# KiCad board Panel3-copy.kicad_pcb (continued)
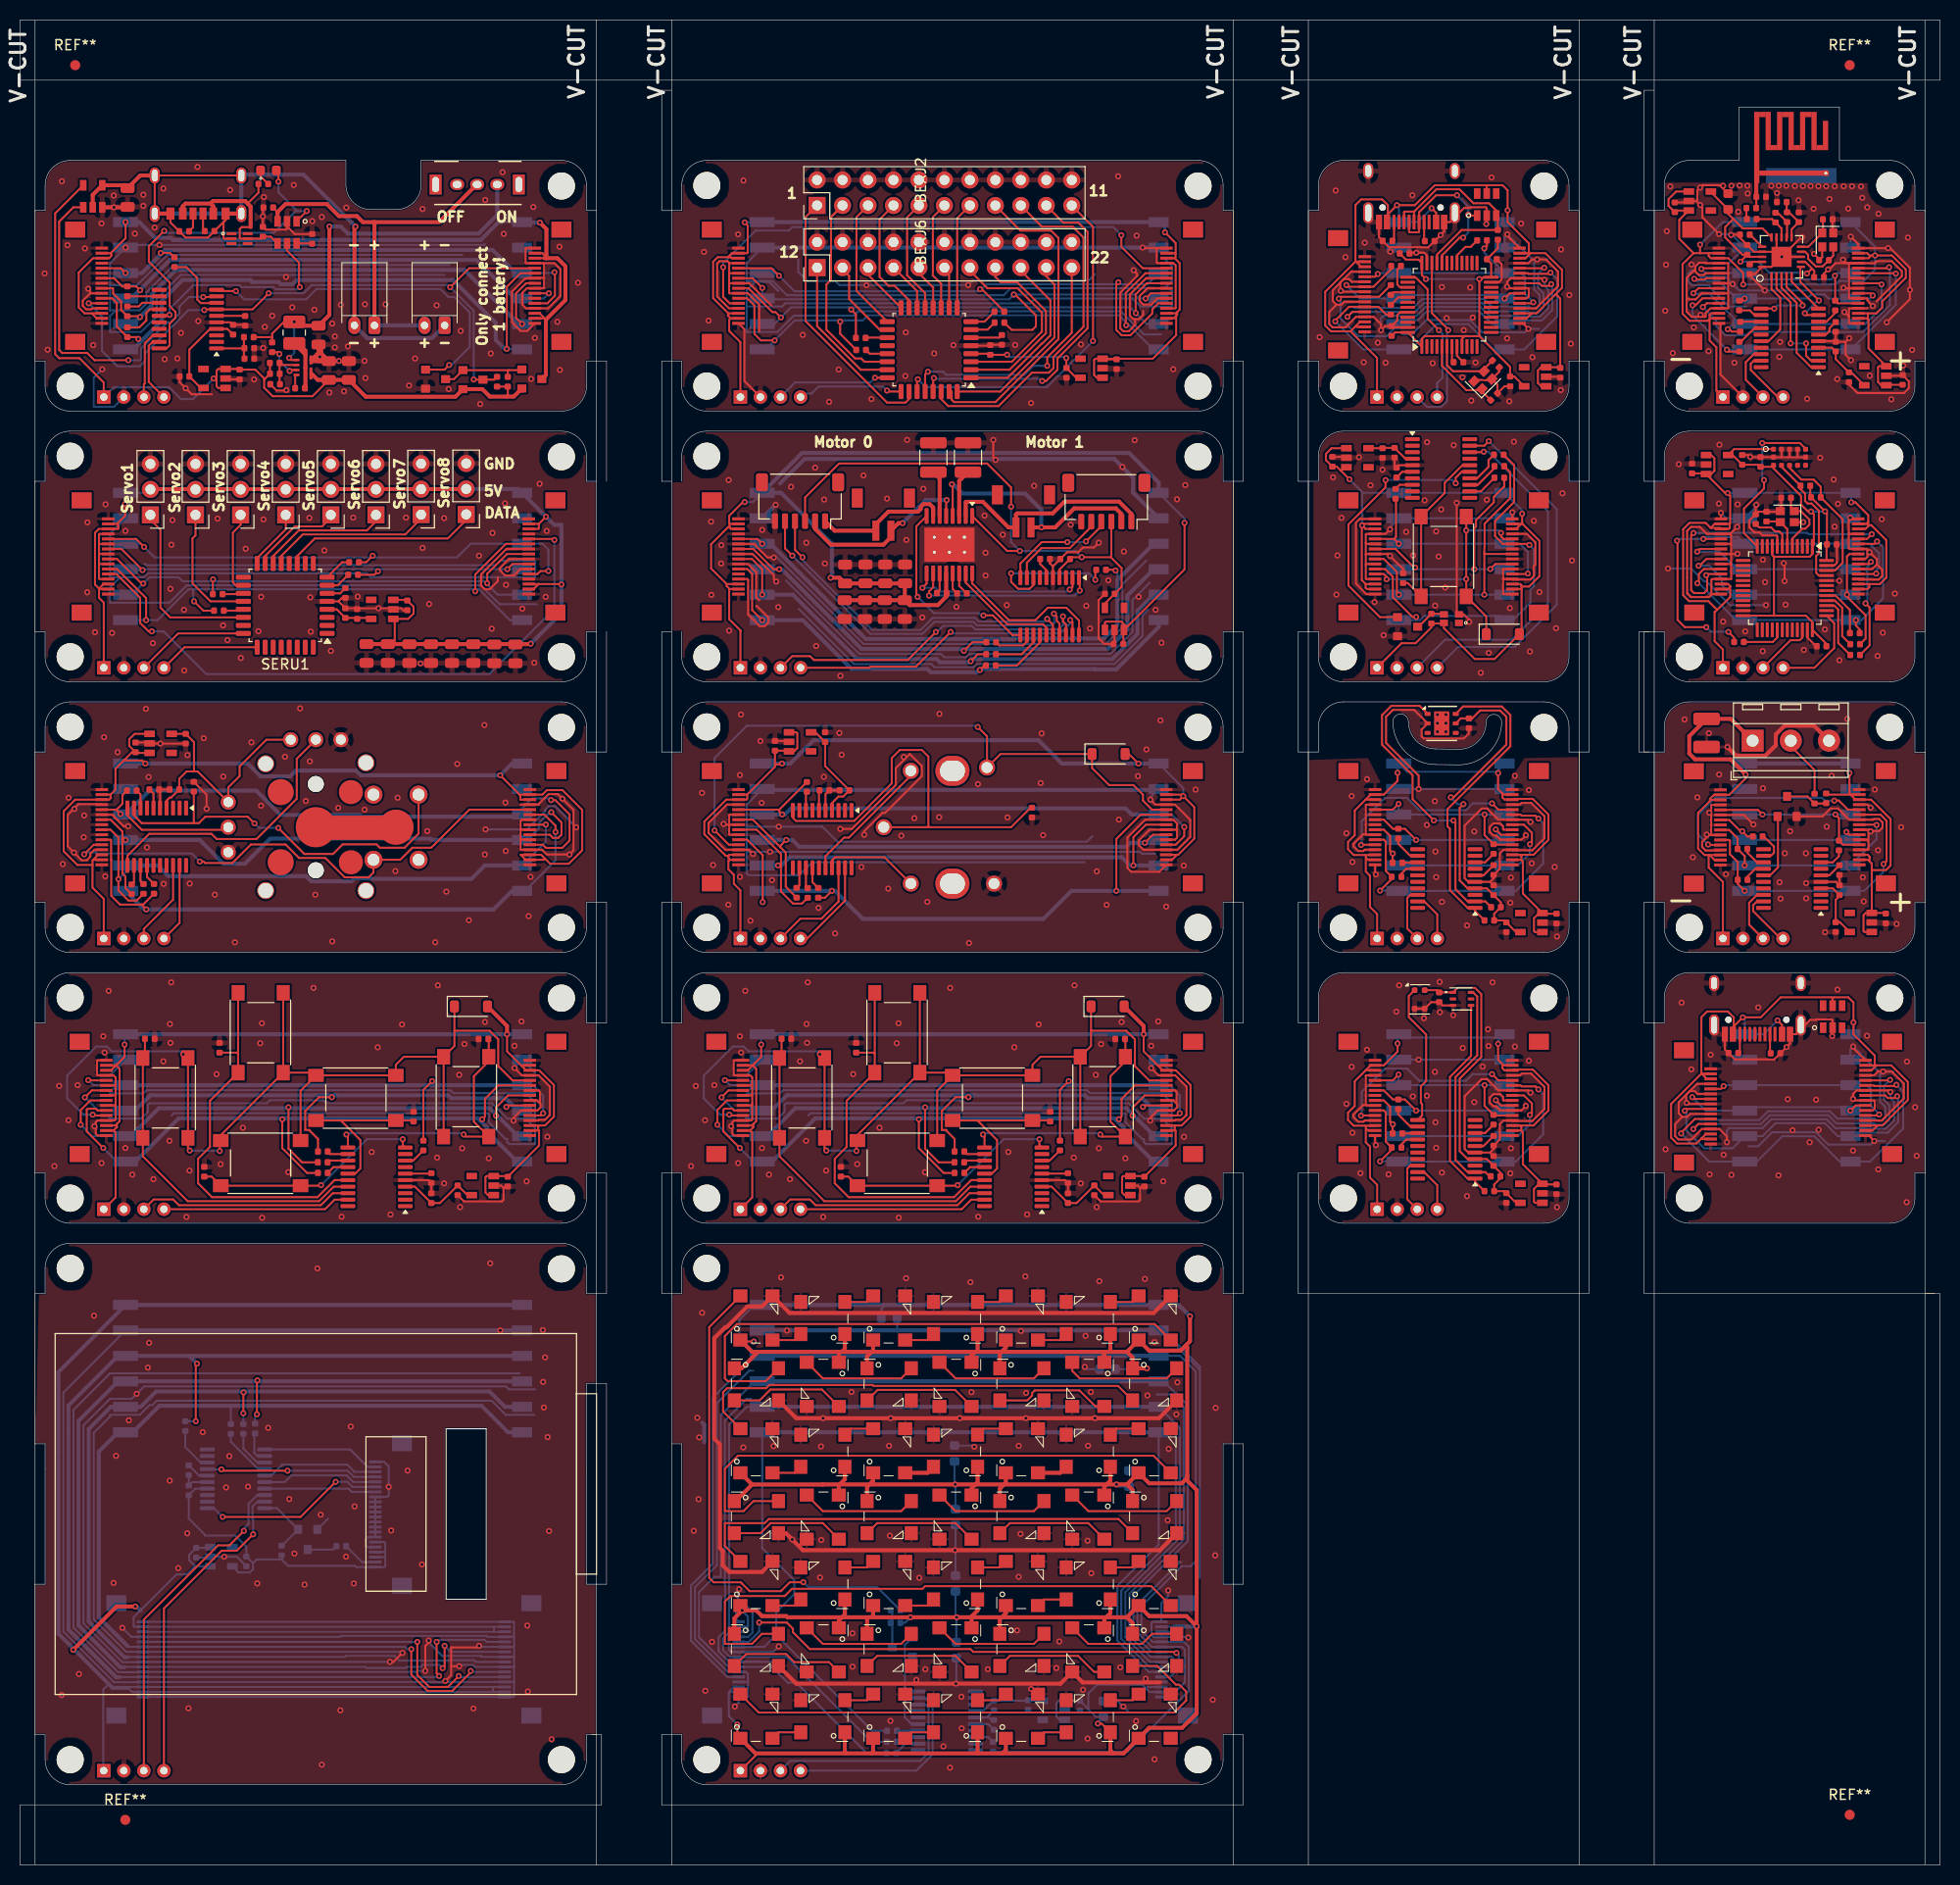
[diagram p0: board, top side]
## Nets (continued)
SCR_Net-(U3-PA6): SCRR4.1 SCRU3.13
SCR_Net-(U3-PA7): SCRR2.1 SCRU3.14
SCR_PS: SCRJ1.3 SCRJ2.4 SCRJ5.5 SCRJ6.5 SCRR1.2
SCR_RESET: SCRJ3.3 SCRU3.15
SCR_S_MISO: SCRU3.10
SCR_S_MOSI: SCRJ3.2 SCRU3.11
SCR_S_SCK: SCRJ3.6 SCRU3.1
SCR_SCLK: SCRJ1.4 SCRJ2.3 SCRJ5.7 SCRJ6.7 SCRR3.2
SCR_SWDCLK: SCRJ4.4 SCRU3.19
SCR_SWDIO: SCRJ4.3 SCRU3.18
SCR_TE: SCRJ3.4 SCRU3.7
SCR_unconnected-(U2-NC-Pad4): SCRU2.4
SCR_VDD: SCRC2.1 SCRC9.1 SCRJ3.17 SCRJ3.19 SCRJ3.20 SCRJ3.22 SCRR7.2 SCRU2.5 SCRU3.4
SER_5V: SERC5.1 SERC6.1 SERC7.1 SERC8.1 SERC10.1 SERC11.1 SERC12.1 SERC13.1 SERC14.1 SERJ1.1 SERJ2.2 SERJ3.6 SERJ4.1 SERJ5.2 SERJ6.2 SERJ7.2 SERJ8.2 SERJ9.2 SERJ10.2 SERJ11.2 SERJ12.2 SERJ12.3 SERJ12.14 SERJ12.15 SERJ13.2 SERJ13.3 SERJ13.14 SERJ13.15 SERU2.1 SERU2.3
SER_GND: SERC3.2 SERC4.2 SERC5.2 SERC6.2 SERC7.2 SERC8.2 SERC9.2 SERC10.2 SERC11.2 SERC12.2 SERC13.2 SERC14.2 SERJ1.2 SERJ2.3 SERJ3.5 SERJ4.2 SERJ5.3 SERJ6.3 SERJ7.3 SERJ8.3 SERJ9.3 SERJ10.3 SERJ11.3 SERJ12.1 SERJ12.4 SERJ12.6 SERJ12.8 SERJ12.10 SERJ12.13 SERJ12.16 SERJ13.1 SERJ13.4 SERJ13.6 SERJ13.8 SERJ13.10 SERJ13.13 SERJ13.16 SERU1.5 SERU2.2
SER_Interrupt5V: SERJ12.12 SERJ13.12
SER_MISO: SERJ1.5 SERJ3.2 SERJ12.9 SERJ13.9 SERR7.2
SER_MOSI: SERJ1.6 SERJ3.1 SERJ12.11 SERJ13.11 SERR8.2
SER_Net-(U1-NRST): SERC4.1 SERU1.6
SER_Net-(U1-PA0): SERR5.1 SERU1.7
SER_Net-(U1-PA1): SERR6.1 SERU1.8
SER_Net-(U1-PA9/NC): SERR7.1 SERU1.19
SER_Net-(U1-PA10/NC): SERR8.1 SERU1.21
SER_PS: SERJ1.3 SERJ3.4 SERJ12.5 SERJ13.5 SERR6.2
SER_PWM1: SERJ2.1 SERU1.22
SER_PWM2: SERJ5.1 SERU1.20
SER_PWM3: SERJ6.1 SERU1.18
SER_PWM4: SERJ7.1 SERU1.16
SER_PWM5: SERJ8.1 SERU1.15
SER_PWM6: SERJ9.1 SERU1.14
SER_PWM7: SERJ10.1 SERU1.13
SER_PWM8: SERJ11.1 SERU1.11
SER_PWM9: SERU1.27
SER_PWM10: SERU1.30
SER_SCLK: SERJ1.4 SERJ3.3 SERJ12.7 SERJ13.7 SERR5.2
SER_SWDCLK: SERJ4.4 SERU1.25
SER_SWDIO: SERJ4.3 SERU1.24
SER_unconnected-(U1-PA2-Pad9): SERU1.9
SER_unconnected-(U1-PA3-Pad10): SERU1.10
SER_unconnected-(U1-PA5-Pad12): SERU1.12
SER_unconnected-(U1-PA12/PA10-Pad23): SERU1.23
SER_unconnected-(U1-PA15-Pad26): SERU1.26
SER_unconnected-(U1-PB2-Pad17): SERU1.17
SER_unconnected-(U1-PB4-Pad28): SERU1.28
SER_unconnected-(U1-PB5-Pad29): SERU1.29
SER_unconnected-(U1-PB7-Pad31): SERU1.31
SER_unconnected-(U1-PB8-Pad32): SERU1.32
SER_unconnected-(U1-PB9-Pad1): SERU1.1
SER_unconnected-(U1-PC14-Pad2): SERU1.2
SER_unconnected-(U1-PC15-Pad3): SERU1.3
SER_unconnected-(U2-NC-Pad4): SERU2.4
SER_VDD: SERC3.1 SERC9.1 SERU1.4 SERU2.5
TMP_5V: TMPC8.1 TMPJ1.1 TMPJ2.6 TMPJ3.2 TMPJ3.3 TMPJ3.14 TMPJ3.15 TMPJ4.1 TMPJ5.2 TMPJ5.3 TMPJ5.14 TMPJ5.15 TMPU2.1 TMPU2.3
TMP_/DAP: TMPU1.7
TMP_GND: TMPC1.2 TMPC2.2 TMPC3.2 TMPC8.2 TMPC9.2 TMPJ1.2 TMPJ2.5 TMPJ3.1 TMPJ3.4 TMPJ3.6 TMPJ3.8 TMPJ3.10 TMPJ3.13 TMPJ3.16 TMPJ4.2 TMPJ5.1 TMPJ5.4 TMPJ5.6 TMPJ5.8 TMPJ5.10 TMPJ5.13 TMPJ5.16 TMPU1.2 TMPU2.2 TMPU3.5
TMP_Interrupt5V: TMPJ3.12 TMPJ5.12
TMP_MISO: TMPJ1.5 TMPJ2.2 TMPJ3.9 TMPJ5.9 TMPR4.2
TMP_MOSI: TMPJ1.6 TMPJ2.1 TMPJ3.11 TMPJ5.11 TMPR2.2
TMP_Net-(U3-NRST): TMPC1.1 TMPU3.6
TMP_Net-(U3-PA1): TMPR1.1 TMPU3.8
TMP_Net-(U3-PA5): TMPR3.1 TMPU3.12
TMP_Net-(U3-PA6): TMPR4.1 TMPU3.13
TMP_Net-(U3-PA7): TMPR2.1 TMPU3.14
TMP_PS: TMPJ1.3 TMPJ2.4 TMPJ3.5 TMPJ5.5 TMPR1.2
TMP_SCL: TMPR6.2 TMPU1.6 TMPU3.1
TMP_SCLK: TMPJ1.4 TMPJ2.3 TMPJ3.7 TMPJ5.7 TMPR3.2
TMP_SDA: TMPR5.2 TMPU1.1 TMPU3.2
TMP_SWDCLK: TMPJ4.4 TMPU3.19
TMP_SWDIO: TMPJ4.3 TMPU3.18
TMP_unconnected-(U1-NC-Pad3): TMPU1.3
TMP_unconnected-(U1-NC-Pad4): TMPU1.4
TMP_unconnected-(U2-NC-Pad4): TMPU2.4
TMP_unconnected-(U3-PA0-Pad7): TMPU3.7
TMP_unconnected-(U3-PA2-Pad9): TMPU3.9
TMP_unconnected-(U3-PA3-Pad10): TMPU3.10
TMP_unconnected-(U3-PA4-Pad11): TMPU3.11
TMP_unconnected-(U3-PA11/PA9-Pad16): TMPU3.16
TMP_unconnected-(U3-PA12/PA10-Pad17): TMPU3.17
TMP_unconnected-(U3-PB0/PB1/PB2/PA8-Pad15): TMPU3.15
TMP_unconnected-(U3-PB3/PB4/PB5/PB6-Pad20): TMPU3.20
TMP_unconnected-(U3-PC15-Pad3): TMPU3.3
TMP_VDD: TMPC2.1 TMPC3.1 TMPC9.1 TMPR5.1 TMPR6.1 TMPU1.5 TMPU2.5 TMPU3.4
USB_5V: USBC8.1 USBIC1.5 USBJ1.1 USBJ2.A4 USBJ2.A9 USBJ2.B4 USBJ2.B9 USBJ3.6 USBJ4.1 USBJ5.2 USBJ5.3 USBJ5.14 USBJ5.15 USBJ6.2 USBJ6.3 USBJ6.14 USBJ6.15 USBU2.1 USBU2.3
USB_GND: USBC1.2 USBC2.2 USBC4.1 USBC5.2 USBC6.1 USBC7.1 USBC8.2 USBC9.2 USBIC1.2 USBJ1.2 USBJ2.A1 USBJ2.A12 USBJ2.B1 USBJ2.B12 USBJ2.S1 USBJ3.5 USBJ4.2 USBJ5.1 USBJ5.4 USBJ5.6 USBJ5.8 USBJ5.10 USBJ5.13 USBJ5.16 USBJ6.1 USBJ6.4 USBJ6.6 USBJ6.8 USBJ6.10 USBJ6.13 USBJ6.16 USBR1.2 USBR2.1 USBU1.8 USBU1.23 USBU1.35 USBU1.44 USBU1.47 USBU2.2 USBY2.2 USBY2.4
USB_Interrupt5V: USBJ5.12 USBJ6.12
USB_MISO: USBJ1.5 USBJ3.2 USBJ5.9 USBJ6.9 USBR6.2
USB_MISO_UC: USBR6.1 USBU1.40
USB_MOSI: USBJ1.6 USBJ3.1 USBJ5.11 USBJ6.11 USBR4.2
USB_MOSI_UC: USBR4.1 USBU1.41
USB_Net-(J2-CC1): USBJ2.A5 USBR1.1
USB_Net-(J2-CC2): USBJ2.B5 USBR2.2
USB_Net-(U1-NRST): USBC4.2 USBU1.7
USB_OSC_IN: USBC6.2 USBU1.5 USBY2.1
USB_OSC_OUT: USBC7.2 USBU1.6 USBY2.3
USB_PS: USBJ1.3 USBJ3.4 USBJ5.5 USBJ6.5 USBR5.2
USB_PS_UC: USBR5.1 USBU1.29
USB_SCLK: USBJ1.4 USBJ3.3 USBJ5.7 USBJ6.7 USBR7.2
USB_SCLK_UC: USBR7.1 USBU1.39
USB_SWDCLK: USBJ4.4 USBU1.37
USB_SWDIO: USBJ4.3 USBU1.34
USB_unconnected-(IC1-I/04-Pad6): USBIC1.6
USB_unconnected-(IC1-I/O3-Pad4): USBIC1.4
USB_unconnected-(J2-SBU1-PadA8): USBJ2.A8
USB_unconnected-(J2-SBU2-PadB8): USBJ2.B8
USB_unconnected-(U1-PA0-Pad10): USBU1.10
USB_unconnected-(U1-PA1-Pad11): USBU1.11
USB_unconnected-(U1-PA2-Pad12): USBU1.12
USB_unconnected-(U1-PA3-Pad13): USBU1.13
USB_unconnected-(U1-PA4-Pad14): USBU1.14
USB_unconnected-(U1-PA5-Pad15): USBU1.15
USB_unconnected-(U1-PA6-Pad16): USBU1.16
USB_unconnected-(U1-PA7-Pad17): USBU1.17
USB_unconnected-(U1-PA9-Pad30): USBU1.30
USB_unconnected-(U1-PA10-Pad31): USBU1.31
USB_unconnected-(U1-PA15-Pad38): USBU1.38
USB_unconnected-(U1-PB0-Pad18): USBU1.18
USB_unconnected-(U1-PB1-Pad19): USBU1.19
USB_unconnected-(U1-PB2-Pad20): USBU1.20
USB_unconnected-(U1-PB6-Pad42): USBU1.42
USB_unconnected-(U1-PB7-Pad43): USBU1.43
USB_unconnected-(U1-PB8-Pad45): USBU1.45
USB_unconnected-(U1-PB9-Pad46): USBU1.46
USB_unconnected-(U1-PB10-Pad21): USBU1.21
USB_unconnected-(U1-PB11-Pad22): USBU1.22
USB_unconnected-(U1-PB12-Pad25): USBU1.25
USB_unconnected-(U1-PB13-Pad26): USBU1.26
USB_unconnected-(U1-PB14-Pad27): USBU1.27
USB_unconnected-(U1-PB15-Pad28): USBU1.28
USB_unconnected-(U1-PC13-Pad2): USBU1.2
USB_unconnected-(U1-PC14-Pad3): USBU1.3
USB_unconnected-(U1-PC15-Pad4): USBU1.4
USB_unconnected-(U2-NC-Pad4): USBU2.4
USB_USB_D+: USBIC1.3 USBJ2.A6 USBJ2.B6 USBR12.1 USBU1.33
USB_USB_D-: USBIC1.1 USBJ2.A7 USBJ2.B7 USBU1.32
USB_VDD: USBC1.1 USBC2.1 USBC5.1 USBC9.1 USBR12.2 USBU1.1 USBU1.9 USBU1.24 USBU1.36 USBU1.48 USBU2.5
WIR_5V: WIRC8.1 WIRC11.1 WIRJ1.1 WIRJ2.6 WIRJ3.2 WIRJ3.3 WIRJ3.14 WIRJ3.15 WIRJ4.1 WIRJ5.2 WIRJ5.3 WIRJ5.14 WIRJ5.15 WIRU1.1 WIRU1.3 WIRU2.1 WIRU2.3
WIR_GND: WIRAE1.2 WIRC1.2 WIRC2.2 WIRC3.2 WIRC4.2 WIRC5.2 WIRC6.2 WIRC7.2 WIRC8.2 WIRC9.2 WIRC11.2 WIRC12.2 WIRC13.2 WIRC14.2 WIRC15.2 WIRJ1.2 WIRJ2.5 WIRJ3.1 WIRJ3.4 WIRJ3.6 WIRJ3.8 WIRJ3.10 WIRJ3.13 WIRJ3.16 WIRJ4.2 WIRJ5.1 WIRJ5.4 WIRJ5.6 WIRJ5.8 WIRJ5.10 WIRJ5.13 WIRJ5.16 WIRR6.1 WIRU1.2 WIRU2.2 WIRU3.5 WIRU4.8 WIRU4.14 WIRU4.17 WIRU4.20 WIRU4.21 WIRY2.2 WIRY2.4
WIR_Interrupt5V: WIRJ3.12 WIRJ5.12
WIR_MISO: WIRJ1.5 WIRJ2.2 WIRJ3.9 WIRJ5.9 WIRR4.2
WIR_MOSI: WIRJ1.6 WIRJ2.1 WIRJ3.11 WIRJ5.11 WIRR2.2
WIR_Net-(AE1-A): WIRAE1.1 WIRC7.1 WIRC10.2
WIR_Net-(C10-Pad1): WIRC10.1 WIRL3.1
WIR_Net-(U3-NRST): WIRC1.1 WIRU3.6
WIR_Net-(U3-PA1): WIRR1.1 WIRU3.8
WIR_Net-(U3-PA5): WIRR3.1 WIRU3.12
WIR_Net-(U3-PA6): WIRR4.1 WIRU3.13
WIR_Net-(U3-PA7): WIRR2.1 WIRU3.14
WIR_Net-(U4-ANT1): WIRL1.1 WIRL4.2 WIRU4.12
WIR_Net-(U4-ANT2): WIRL1.2 WIRL3.2 WIRU4.13
WIR_Net-(U4-DVDD): WIRC3.1 WIRU4.19
WIR_Net-(U4-IREF): WIRR6.2 WIRU4.16
WIR_Net-(U4-VDD_PA): WIRC4.1 WIRC14.1 WIRL4.1 WIRU4.11
WIR_PS: WIRJ1.3 WIRJ2.4 WIRJ3.5 WIRJ5.5 WIRR1.2
WIR_SCLK: WIRJ1.4 WIRJ2.3 WIRJ3.7 WIRJ5.7 WIRR3.2
WIR_SWDCLK: WIRJ4.4 WIRU3.19
WIR_SWDIO: WIRJ4.3 WIRU3.18
WIR_unconnected-(U1-NC-Pad4): WIRU1.4
WIR_unconnected-(U2-NC-Pad4): WIRU2.4
WIR_unconnected-(U3-PA0-Pad7): WIRU3.7
WIR_unconnected-(U3-PA12/PA10-Pad17): WIRU3.17
WIR_unconnected-(U3-PB0/PB1/PB2/PA8-Pad15): WIRU3.15
WIR_unconnected-(U3-PB3/PB4/PB5/PB6-Pad20): WIRU3.20
WIR_unconnected-(U3-PC15-Pad3): WIRU3.3
WIR_VDD: WIRC2.1 WIRC12.1 WIRU2.5 WIRU3.4
WIR_VDD_NRF: WIRC9.1 WIRC13.1 WIRC15.1 WIRU1.5 WIRU4.7 WIRU4.15 WIRU4.18
WIR_W_CSN: WIRU3.2 WIRU4.2
WIR_W_Enable: WIRU3.16 WIRU4.1
WIR_W_INT: WIRU3.9 WIRU4.6
WIR_W_MISO: WIRU3.10 WIRU4.5
WIR_W_MOSI: WIRU3.11 WIRU4.4
WIR_W_SCK: WIRU3.1 WIRU4.3
WIR_XC13: WIRC5.1 WIRU4.10 WIRY2.1
WIR_XC23: WIRC6.1 WIRU4.9 WIRY2.3

Pads without a net: DIASW7 1 2; MOTJ2 MP; MOTJ6 MP; MOTJ8 0; MOTJ9 0; SCRJ3 A B

## Via types
v1: diameter 0.6, hole 0.3, Top to Bottom, 1157 vias

## Routing (per net, layer and track width the routed paths; a pad name or vN(x,y) marks a point on that pad's centre or on a via; arc(x,y) is an arc through that point)
BAT_5V: length 82.2
  Top w0.2: BATJ3.15 52.1,160.75 52.3,160.55 52.3,160.25 BATJ3.14 ; BATJ3.3 51.82,154.75 52.45,154.12 52.32,154.25 BATJ3.2 ; 7.15,154.75 6.43,154.75 5.85,155.33 5.85,158.82 7.28,160.25 BATJ1.3 8.88,160.25 9.1,160.47 9.1,160.68 9.03,160.75 ; 7.15,154.75 7.65,154.25 BATJ1.15 ; 7.15,154.75 BATJ1.14 ; v1(10.53,163.85) 10.53,162.25 9.03,160.75 ; BATJ1.2 9.03,160.75
  Top w0.4: 52.1,148.2 BATQ6.3 52.45,148.6 52.45,154.12 54.4,156.07 54.4,159.45 53.6,160.25 52.5,160.25 ; 52.5,160.25 52.5,163.15 v1(51.85,163.8) ; 52.5,160.25 52.3,160.25
  Bottom w0.2: 48.08,163.85 50.08,163.85
  Bottom w0.4: 50.08,163.85 50.12,163.8 v1(51.85,163.8) ; v1(10.53,163.85) 11.89,163.85 13.46,162.28 15.05,162.28 15.25,162.07 45.95,162.07 47.73,163.85 48.08,163.85
BAT_/USB_5V: length 19.7
  Top w0.2: 22.7,165.7 23.78,166.78 BATR16.1 ; 23,163.35 22.11,163.35 21.91,163.15 21.91,162.25 21.96,162.2 BATIC1.5 24.02,162.2 BATC13.1 25.01,162.4 BATU8.4
  Top w0.4: BATJ2.A9 16.23,165.43 16.5,165.7 19,165.7 ; 23,163.35 23,165.4 22.45,165.95 19.25,165.95 19,165.7 ; 19,165.7 19.27,165.43 BATJ2.B9
BAT_BATTERY_CURRENT: length 35.6
  Top w0.2: v1(10.8,150.07) 7.42,150.07 6.7,150.8 4.2,150.8 3.9,151.1 3.9,163.9 5.33,165.32 BATU6.1 ; v1(18.27,156.38) 19.52,156.38 BATU3.9
  Bottom w0.2: v1(10.8,150.07) 11.97,150.07 12.07,150.18 12.07,151.24 14.68,153.85 15.01,153.85 15.9,154.74 15.9,155.43 16.85,156.38 v1(18.27,156.38)
BAT_CHRG: length 36.1
  Top w0.2: v1(14.38,162.97) 12.85,161.45 12.85,159.9 14.94,157.81 14.93,157.8 14.93,155.47 15.51,154.89 15.51,154.3 14.91,153.7 14.91,151.55 14.61,151.25 BATU3.20 ; 27.58,163.93 27.58,163.93 v1(28.6,164.95) ; BATD2.1 25.77,168.79 v1(25.77,167.88)
  Bottom w0.2: v1(14.38,162.97) 14.57,162.78 25.32,162.78 27.57,165.03 ; 27.57,165.03 27.65,164.95 v1(28.6,164.95) ; 27.57,165.03 25.77,166.82 v1(25.77,167.88)
BAT_ENABLE_5V: length 35.8
  Top w0.2: v1(42.8,149.6) 42.34,149.13 40.45,149.13 ; v1(21.52,156.97) 19.73,156.97 BATU3.10
  Bottom w0.2: v1(42.8,149.6) 43.05,149.6 44.85,151.4 44.85,154.84 43.32,156.38 42.73,156.38 41.92,157.18 29.57,157.18 28.55,156.15 22.35,156.15 v1(21.52,156.97)
BAT_GND: length 225.1
  Top w0.2: v1(6.8,157.2) 7,157 7,156.75 ; 52.2,159.75 52.27,159.68 52.27,158.28 ; 52.2,159.75 53.3,159.75 53.9,159.15 53.9,156.49 52.66,155.25 BATJ3.4 50.47,155.25 50.1,155.62 50.1,156.8 50.55,157.25 BATJ3.8 52.22,157.25 52.27,157.3 52.27,158.28 ; 52.2,159.75 BATJ3.13 50.47,159.75 50.42,159.8 50.42,161.2 50.47,161.25 BATJ3.16 ; 26.63,163.42 26.63,163.93 26.63,163.42 ; 26.63,163.42 27.39,162.66 BATR17.2 ; 26.63,163.42 26.63,163.19 26.53,163.09 24.5,163.09 BATC13.2 v1(24.23,164.43) 24.23,165.25 BATC14.2 ; 52.27,158.28 52.25,158.3 51.4,158.3 BATJ3.10 50.55,158.25 50.5,158.2 50.35,158.2 49.08,156.92 49.08,153.84 49.92,153 50.59,153 BATJ3.1 ; BATC8.2 20.59,148.16 ; BATU3.5 21,153.85 BATC2.2 22.36,153.6 BATC1.2 ; 19.13,146.68 17.12,146.68 v1(16.52,147.28) 15.91,147.88 BATC9.2 ; BATR10.2 25.57,147.06 26.54,147.06 v1(26.57,147.09) ; 7,156.75 BATJ1.10 ; 7,156.75 6.25,156 6.25,155.5 6.6,155.15 7.1,155.15 7.2,155.25 BATJ1.13
  Top w0.4: 30.04,151.03 30.04,150.75 BATC11.2 ; BATC11.2 29.93,149.99 ; BATC11.2 29.93,149.99 ; BATC5.2 29.77,150.81 29.07,150.1 29.18,149.99 29.93,149.99 ; 29.93,149.99 29.61,150.3 29.79,150.47 29.86,150.47 ; BATU6.3 v1(9.38,165.32) 10.69,165.32 BATR13.2 ; 30.04,150.28 v1(29.91,150.41) 29.86,150.45
  Bottom w0.2: 26.65,158.57 16,158.57 13.62,156.2 13.62,154.44 12.07,152.89 8.97,152.89 8.97,154.49 9.54,155.05 8.97,155.05 8.97,157.57 ; 26.65,158.57 42.36,158.57 ; 26.65,158.57 26.65,158.5 v1(26.52,158.38) ; 8.97,157.57 8.97,159.76 v1(10.53,161.31) 10.79,161.57 v1(13.9,161.57) 46.3,161.57 46.38,161.65 ; 8.97,157.57 11.68,157.57 14.68,160.57 44.1,160.57 ; 42.85,159.57 15.34,159.57 12.62,156.86 12.62,155.75 11.93,155.05 9.8,155.05 ; v1(8.2,149.18) 7.35,148.32 7.35,145.45 7.38,145.43 9.38,145.43 BATJ4.2
  vias: v1(2.45,158.72) v1(2.75,151.12) v1(4.17,167.93) v1(4.72,161.55) v1(6.47,161.22) v1(7.3,151.57) v1(8.12,163.72) v1(9.35,166.5) v1(11.45,162.7) v1(12.3,166.57) v1(12.3,165.47) v1(13.43,163.3) v1(14.3,167.2) v1(14.43,150.18) v1(15.7,150.25) v1(16.05,152.8) v1(17.7,169.35) v1(17.77,153.97) v1(20.95,167.05) v1(23.35,148.15) v1(24.32,166.35) v1(24.25,151.3) v1(24.41,153.4) v1(25.15,154.5) v1(27.15,155.35) v1(27.3,167.55) v1(29.15,163.95) v1(29.35,155.1) v1(30.1,164.35) v1(30.85,146.85) v1(31.14,153.72) v1(31.4,152.45) v1(31.4,151.35) v1(31.8,150) v1(32,155.6) v1(32.31,146.97) v1(32.55,165.3) v1(32.7,151.45) v1(34.4,155.65) v1(34.35,150) v1(34.45,148.3) v1(36.45,155.65) v1(38.8,147.55) v1(39.4,150.25) v1(40.15,165.15) v1(41.55,155.55) v1(42.75,147.2) v1(43.95,153) v1(45.9,145.7) v1(46.4,166.05) v1(46.95,150.75) v1(48.12,168.82) v1(48.25,162.68) v1(50.98,148.21) v1(51.2,165.35) v1(51.35,152.3) v1(53.6,153.9) v1(53.8,161.4) v1(53.85,149.1) v1(55.65,157.8)
BAT_INT_5V: length 82.8
  Top w0.2: BATU6.5 3.5,164.72 3.5,150.68 3.9,150.28 5.92,150.28 8.35,147.85 BATJ4.1 ; 32.54,147.85 BATC10.1 33.22,147.7 ; 19.6,148.3 19.55,148.25 v1(19.3,148.25) ; 19.6,148.3 19.6,147.47 19.77,147.3 BATU2.1 ; 19.6,148.3 19.6,149.03 19.77,149.2 BATU2.3 21.84,149.2 21.9,149.13 23.46,149.13 24.4,148.2 ; 48.5,146.45 48.65,146.6 BATR19.1 47.59,147.44 BATR20.1 ; 29.07,148.75 29.02,148.75 ; 24.4,148.2 24.34,148.13 24.34,147.33 25.19,146.49 29.17,146.49 BATC11.1 ; 24.4,148.2 BATR9.1 24.93,149.78 BATC7.1
  Top w0.4: 29.07,148.75 29.7,148.11 BATC11.1 BATC10.1 34.48,146.44 43.42,146.44 44.17,147.19 46.12,147.19 46.85,146.45 49.25,146.45 BATQ6.2 50.05,147.03
  Bottom w0.2: BATJ4.1 9.32,147.38 14.88,147.38 16.05,146.2 17.25,146.2 v1(19.3,148.25)
BAT_Interrupt5V: length 67.7
  Top w0.2: v1(18.38,155.07) 18.45,155.15 BATU3.7 23.2,155.15 v1(24.8,156.75) ; BATJ3.12 44.8,159.25 v1(42.91,157.36) ; v1(6.85,155.75) BATJ1.12 ; BATR20.2 47.29,148.13 BATQ2.3 45.27,148.13 v1(45.25,148.15)
  Bottom w0.2: v1(45.25,148.15) 45.25,155.01 v1(42.91,157.36) 42.69,157.57 29.1,157.57 28.27,156.75 v1(24.8,156.75) ; v1(6.85,155.75) 8.18,154.43 8.18,151 9.7,149.47 11.94,149.47 12.47,150.01 12.47,150.75 16.8,155.07 v1(18.38,155.07)
BAT_MISO: length 56.1
  Top w0.2: v1(11.97,154.38) 11.88,154.47 BATR4.2 10.08,155.09 10.08,155.93 9.28,156.73 9.28,157.25 BATJ1.9 ; BATJ3.9 50.47,157.75 49.48,156.75 49.48,154.29 v1(50.08,153.69)
  Bottom w0.4: BATJ7.5 11.28,153.69 v1(11.97,154.38) 13.12,155.54 13.12,156.65 15.55,159.07 44.33,159.07 49.71,153.69 v1(50.08,153.69)
BAT_MOSI: length 64.6
  Top w0.2: BATJ3.11 49.9,158.75 48.55,157.4 v1(48.55,151.2) ; BATJ1.11 9.18,156.25 9.65,155.78 9.65,153.43 BATR2.2 11.62,152.38 v1(11.8,152.2)
  Bottom w0.2: 11.84,151.71 11.8,151.75 v1(11.8,152.2) ; 50.08,151.15 50.02,151.2 v1(48.55,151.2)
  Bottom w0.4: v1(48.55,151.2) 48.35,151.2 47.45,152.1 47.45,153.8 43.17,158.07 27.6,158.07 27.18,157.65 26,157.65 25.77,157.88 23.12,157.88 23.1,157.9 23.1,157.97 23,158.07 16.21,158.07 14.15,156.02 14.15,154.03 11.28,151.15 BATJ7.6
BAT_Net-(D2-A): length 1.7
  Top w0.2: BATD2.2 23.99,168.41 BATR16.2
BAT_Net-(J2-CC1): length 1.8
  Top w0.2: BATR12.1 18.25,163.12 BATJ2.A5
BAT_Net-(J2-CC2): length 1.9
  Top w0.2: BATR11.1 17.25,163.32 BATJ2.B5
BAT_Net-(Q2-G): length 8.7
  Top w0.2: 48.73,149.09 49.98,149.09 BATQ6.1 ; 48.73,149.09 BATQ2.1 43.27,148.19 BATQ5.3 ; 48.73,149.09 48.65,149.01 BATR19.2
BAT_Net-(SW1-B): length 39.4
  Top w0.2: 25.68,164.85 25.25,165.29 BATC14.1
  Top w0.4: 35.35,163.85 34.2,163.85 33.6,164.45 31.8,164.45 30.6,165.65 26.48,165.65 25.68,164.85 25.68,163.93 ; 35.35,163.85 41.8,163.85 45.6,167.65 ; 35.35,163.85 BATJ5.1
  Bottom w0.4: BATJ5.1 BATJ8.2
BAT_Net-(U3-NRST): length 2.9
  Top w0.2: BATC1.1 22.43,154.5 BATU3.6
BAT_Net-(U3-PA1): length 7
  Top w0.2: 19.62,155.78 BATU3.8 19.5,155.8 19.48,155.78 18.03,155.78 17.68,156.13 17.68,158.28 16.59,159.37 BATR1.1
BAT_Net-(U3-PA5): length 3.2
  Top w0.2: BATU3.12 10.71,156.45 BATR3.1
BAT_Net-(U3-PA6): length 3.3
  Top w0.2: BATU3.13 12.2,155.8 11.84,155.44 10.7,155.44
BAT_Net-(U3-PA7): length 4.4
  Top w0.2: BATU3.14 12.95,155.15 12.6,154.8 12.6,154.04 11.9,153.35 BATR2.1
BAT_Net-(U5-CBST): length 1.4
  Top w0.2: BATC6.2 27.44,148.47 BATU5.1
BAT_Net-(U5-EN): length 3.7
  Top w0.2: BATU5.2 26.99,149.1 v1(26.89,149) ; BATR18.2 25.68,150.88 v1(25.86,150.7)
  Bottom w0.2: v1(26.89,149) 25.86,150.02 v1(25.86,150.7)
BAT_Net-(U5-FB): length 3.9
  Top w0.2: 25.89,148.74 BATR9.2 ; 25.89,148.74 BATC7.2 26.09,149.6 BATU5.3 ; 25.89,148.74 25.89,147.72 BATR10.1
BAT_Net-(U5-SW): length 5.5
  Top w0.2: BATC6.1 28.44,147.3 28.44,147.53 ; 28.46,149.34 28.48,149.35 28.46,149.36
  Top w0.4: 28.46,150.63 28.46,151.03 28.36,151.12 ; 28.46,150.63 28.46,149.36 ; 28.46,150.63 BATL1.1 ; 28.46,149.35 28.46,147.56 28.41,147.5
BAT_Net-(U8-PROG): length 1.6
  Top w0.2: BATR17.1 29.1,161.72 BATU8.6
BAT_PS: length 53.7
  Top w0.2: BATJ3.5 52.6,155.75 53.35,156.5 53.35,158.8 v1(53.3,158.85) ; v1(14.03,160.77) 14.96,160.77 15.4,160.34 ; v1(10.53,158.77) 10.04,159.25 BATJ1.5
  Bottom w0.2: 50.08,158.77 53.22,158.77 v1(53.3,158.85) ; 14.03,160.63 v1(14.03,160.77)
  Bottom w0.4: 50.08,158.77 49.43,158.77 47.12,161.07 14.47,161.07 12.17,158.77 v1(10.53,158.77)
BAT_REAL_GND: length 81.1
  Top w0.2: 20.3,163.86 20.5,164.06 ; 20.3,163.86 20.5,164.06 ; 20.3,163.86 20.3,162.25 20.34,162.2 BATIC1.2 ; 20.3,163.86 BATR12.2 18.74,162.31 16.51,162.31 15.89,162.93 BATR11.2 15,163.81 BATJ2.A12 ; 20.5,164.06 BATJ2.B12 ; BATJ2.S1 BATJ2.S1 BATJ2.S1
  Top w0.4: BATJ2.S1 11.99,168.5 BATR13.1 10.44,167.53 BATU6.4 7.25,166.57 BATU6.2 ; v1(33.46,163.4) 33.35,163.29 BATJ5.2 ; BATJ2.B12 BATJ2.S1 ; BATJ2.A12 BATJ2.S1
  Bottom w0.4: v1(33.46,163.4) 28.29,168.57 22.14,168.57 BATJ2.S1 BATJ2.S1 BATJ2.S1 ; BATJ5.2 34.62,152.28 41.08,152.28 BATJ8.1
BAT_SCLK: length 51.7
  Top w0.2: BATJ1.7 9.38,158.25 10.2,157.44 11.59,157.44 v1(11.97,157.05) ; BATJ3.7 v1(52.75,156.75)
  Bottom w0.2: v1(11.97,157.05) 11.72,156.8 11.68,156.8 ; 50.08,156.23 52.23,156.23 v1(52.75,156.75)
  Bottom w0.4: BATJ7.4 11.11,156.23 14.95,160.07 45.52,160.07 49.37,156.23 50.08,156.23
BAT_STBY: length 20.8
  Top w0.2: v1(14.91,154.6) 14.81,154.5 BATU3.15 ; v1(27.9,157.38) 27.82,157.45 27.82,159.8 26.63,161 BATU8.5
  Bottom w0.2: v1(27.9,157.38) 27.9,157.35 27.7,157.15 25.5,157.15 25.27,157.38 22.1,157.38 21.9,157.57 17.3,157.57 14.91,155.18 v1(14.91,154.6)
BAT_SWDCLK: length 6.9
  Top w0.2: BATU3.19 13.22,151.9 12.84,151.52 12.84,147.91 BATJ4.4
BAT_SWDIO: length 7.2
  Top w0.2: BATJ4.3 12.35,147.68 12.44,147.76 12.44,151.77 13.22,152.55 BATU3.18
BAT_SWITCHED_VBAT: length 43.9
  Top w0.2: v1(27.35,153.9) 26.32,153.9 25.14,152.72 25.14,152.35 ; BATR14.1 25.11,152.38 25.14,152.35 ; 25.14,152.35 BATR18.1 ; BATU5.4 27.04,150.1 v1(26.84,150.3)
  Top w0.4: v1(27.35,153.9) 27.74,153.51 BATC5.1 30.85,154.59 v1(30.85,163.4)
  Bottom w0.2: v1(26.84,150.3) 27.35,150.81 v1(27.35,153.9)
  Bottom w0.4: v1(30.85,163.4) 32,163.4 32.7,162.7 45.73,162.7 47.6,164.57 47.6,167.65
BAT_VBAT_REF: length 5.1
  Top w0.2: 22.36,151.25 22.36,151.17 22.33,151.15 ; 22.36,151.25 BATU3.1 ; 22.36,151.25 BATC3.1 ; BATR15.1 22.33,150.28 22.33,151.15 ; BATR14.2 22.33,151.15
BAT_VDD: length 10.1
  Top w0.2: 21.28,152.6 BATC2.1 20.68,153.2 BATU3.4 18.94,153.2 16.88,151.14 BATC9.1 18.04,147.3 BATU2.5
BEX_5V: length 95.4
  Top w0.2: 115.31,154.49 115.08,154.25 BEXJ7.2 ; 115.31,154.49 115.42,154.59 115.42,154.88 ; 115.31,154.49 115.31,152.56 112.97,150.22 BEXU2.3 ; 70.67,160.35 70.67,160.43 71,160.75 BEXJ5.2 72.53,160.75 72.58,160.8 72.58,163.52 v1(72.28,163.82) ; 70.67,160.35 70.88,160.35 70.97,160.25 BEXJ5.3 ; 70.67,160.35 69.58,160.35 69.13,159.9 69.13,156.27 70.65,154.75 ; 70.65,154.75 70.65,154.57 70.6,154.53 70.88,154.25 ; 70.65,154.75 BEXJ5.14 ; 115.17,160.25 115.67,159.75 115.67,155.13 115.42,154.88 ; 115.17,160.25 BEXJ7.14 ; 115.17,160.25 115.25,160.33 115.25,160.68 ; 115.42,154.88 115.29,154.75 BEXJ7.3 ; 115.25,160.68 115.27,160.69 115.27,161.75 v1(114.2,162.82) ; 115.25,160.68 115.17,160.75 BEXJ7.15 ; BEXU2.3 107.25,150.22 107.12,150.1 107.12,148.6 107.4,148.32 BEXU2.1 ; BEXU2.3 108.04,150.16 BEXC8.1 ; 70.88,154.25 70.73,154.1 70.73,153 71.85,151.88 BEXJ4.1 ; 70.88,154.25 BEXJ5.15
  Bottom w0.2: v1(72.28,163.82) 74,163.82 BEXJ1.1 ; BEXJ3.6 114.2,163.22 v1(114.2,162.82)
  Bottom w0.4: BEXJ1.1 BEXJ3.6
BEX_GND: length 291
  Top w0.2: BEXJ7.4 115.22,155.25 115.27,155.3 115.27,159.53 115.05,159.75 BEXJ7.13 113.47,159.75 113.38,159.84 113.38,161.18 113.45,161.25 ; BEXJ7.8 112.45,157.25 111.67,156.48 111.67,155.98 112.03,155.62 112.84,155.62 113.47,156.25 BEXJ7.6 ; 70.73,158.78 70.75,158.75 BEXJ5.6 ; 70.73,158.78 70.73,159.7 70.78,159.75 ; 70.73,158.78 70.73,157.75 ; 111.22,154.17 111.05,154.17 110.69,154.52 110.69,156.63 112.32,158.25 BEXJ7.10 ; 111.22,154.17 111.59,154.17 112.03,154.6 112.03,155 ; 111.22,154.17 111.22,153.6 110.59,152.96 110.04,152.96 109.74,153.26 109.74,156.8 111.39,158.46 ; 111.39,158.46 111.48,158.55 ; 111.39,158.46 111.39,158.73 v1(111.08,159.05) ; 70.78,159.75 70.58,159.95 69.75,159.95 69.53,159.73 69.53,156.43 70.71,155.25 BEXJ5.13 ; 70.78,159.75 BEXJ5.4 ; BEXJ7.16 113.45,161.25 ; 113.45,161.25 112.03,161.25 v1(111.97,161.31) ; BEXC3.2 96.81,151.62 BEXC4.2 96.72,151.53 BEXU1.5 ; BEXJ5.16 72.25,153.16 72.25,148 BEXJ4.2 ; 74.92,155.55 72.73,157.75 BEXJ5.8 70.73,157.75 ; 73.72,152.95 73.72,155.62 72.6,156.75 BEXJ5.10 70.78,156.75 70.73,156.8 70.73,157.75
  Bottom w0.2: 114.28,160.07 114.88,159.47 114.88,157.97 114.16,157.25 98.8,157.25 98.1,156.55 76.5,156.55 75.08,157.97 72.47,157.97 ; 113.8,152.65 112.1,152.65 109.8,154.95 83.57,154.95 83.15,154.53 77.18,154.53 75.54,152.89 72.47,152.89 72.47,155.55 ; 72.47,155.55 72.47,155.43 76,155.43 76.26,155.69 ; 72.47,155.55 72.47,157.03 73.33,157.89 74.72,157.89 75.6,157 74.64,157.97 72.47,157.97 ; 77.62,160.1 77.62,158.89 78.54,157.97 81.33,157.97 81.72,157.57 v1(94.58,157.57) 95.05,158.05 106.6,158.05 107.2,158.65 ; 114.67,157.18 114.9,156.95 114.9,155.46 114.88,155.43 111.78,155.43 110.99,156.22 101.22,156.22 100.75,155.75 76.33,155.75 76.26,155.69 ; 76.26,155.69 76.3,155.72 ; BEXJ1.2 72.47,159.76 72.47,157.97
  Bottom w0.4: BEXJ1.2 v1(111.97,161.31) BEXJ3.5
  vias: v1(68.22,160.88) v1(68.68,154.02) v1(71.62,162.62) v1(72.16,167.99) v1(78.08,152.6) v1(80.7,145.93) v1(81.65,149.15) v1(84.42,157.55) v1(84.92,146.2) v1(88.35,152.85) v1(88.3,148.5) v1(91.17,150.75) v1(93.1,151.57) v1(99.25,151.6) v1(100.85,145.8) v1(105.83,151.65) v1(109.53,168.43) v1(111.38,162.5) v1(115.03,149.18)
BEX_Interrupt5V: length 53.3
  Top w0.2: BEXJ7.12 111.98,159.25 109.85,161.38 v1(109.85,162.55) ; BEXJ5.12 70.78,155.75 70.13,156.4 v1(70.13,159.35)
  Bottom w0.2: v1(109.85,162.55) 109.88,162.53 109.05,163.35 77.03,163.35 76.67,163 73.36,163 70.13,159.76 v1(70.13,159.35)
BEX_MISO: length 55.2
  Top w0.2: v1(111.3,154.77) 111.28,154.79 111.28,156.64 112.38,157.75 BEXJ7.9 ; v1(75.89,154.34) 75.35,154.88 75.04,154.88 72.66,157.25 BEXJ5.9 ; BEXR6.2 83.37,154.66 v1(82.9,155.13)
  Bottom w0.2: v1(82.9,155.13) 82.68,155.35 82.6,155.35 ; BEXJ1.5 75.24,153.69 v1(75.89,154.34) 76.9,155.35 82.6,155.35 ; 82.6,155.35 110.72,155.35 v1(111.3,154.77) 112.38,153.69 BEXJ3.2
BEX_MOSI: length 60.9
  Top w0.2: v1(75.28,152.05) 73.9,152.05 73.25,152.7 73.25,155.53 72.53,156.25 BEXJ5.11 ; BEXR7.2 81.8,152.7 v1(81.8,153.93) ; v1(110.34,153.56) 110.3,153.61 110.3,156.8 112.25,158.75 BEXJ7.11
  Bottom w0.2: BEXJ3.1 113.03,151.15 109.63,154.55 84.58,154.55 84.08,154.05 77.28,154.05 v1(75.28,152.05) 74.38,151.15 ; 110.62,153.56 v1(110.34,153.56)
BEX_Net-(U1-NRST): length 3.2
  Top w0.2: BEXU1.6 97.67,152.32 BEXC3.1
BEX_Net-(U1-PA0): length 2.6
  Top w0.2: BEXR5.1 96.5,153.12 BEXU1.7
BEX_Net-(U1-PA1): length 2.8
  Top w0.2: BEXR8.1 96.19,153.93 BEXU1.8
BEX_Net-(U1-PA9/NC): length 2.2
  Top w0.2: BEXR6.1 84.36,152.32 BEXU1.19
BEX_Net-(U1-PA10/NC): length 2.3
  Top w0.2: BEXU1.21 84.75,150.72 BEXR7.1
BEX_P1: length 14.3
  Top w0.2: BEXU1.23 83.86,149.12 79.5,153.48 79.5,159
BEX_P2: length 8.4
  Top w0.2: 82.04,159 82.04,159.13 82.7,158.47 82.7,156.18 85.75,153.12 BEXU1.18
BEX_P3: length 5.1
  Top w0.2: 84.58,159 84.58,158.59 BEXU1.16
BEX_P4: length 4.9
  Top w0.2: BEXU1.14 89.47,156.97 87.45,159 87.12,159
BEX_P5: length 4.3
  Top w0.2: BEXU1.12 91.08,157.32 89.66,158.74 89.66,159
